# KiCad board first_keyboard.kicad_pcb (continued)
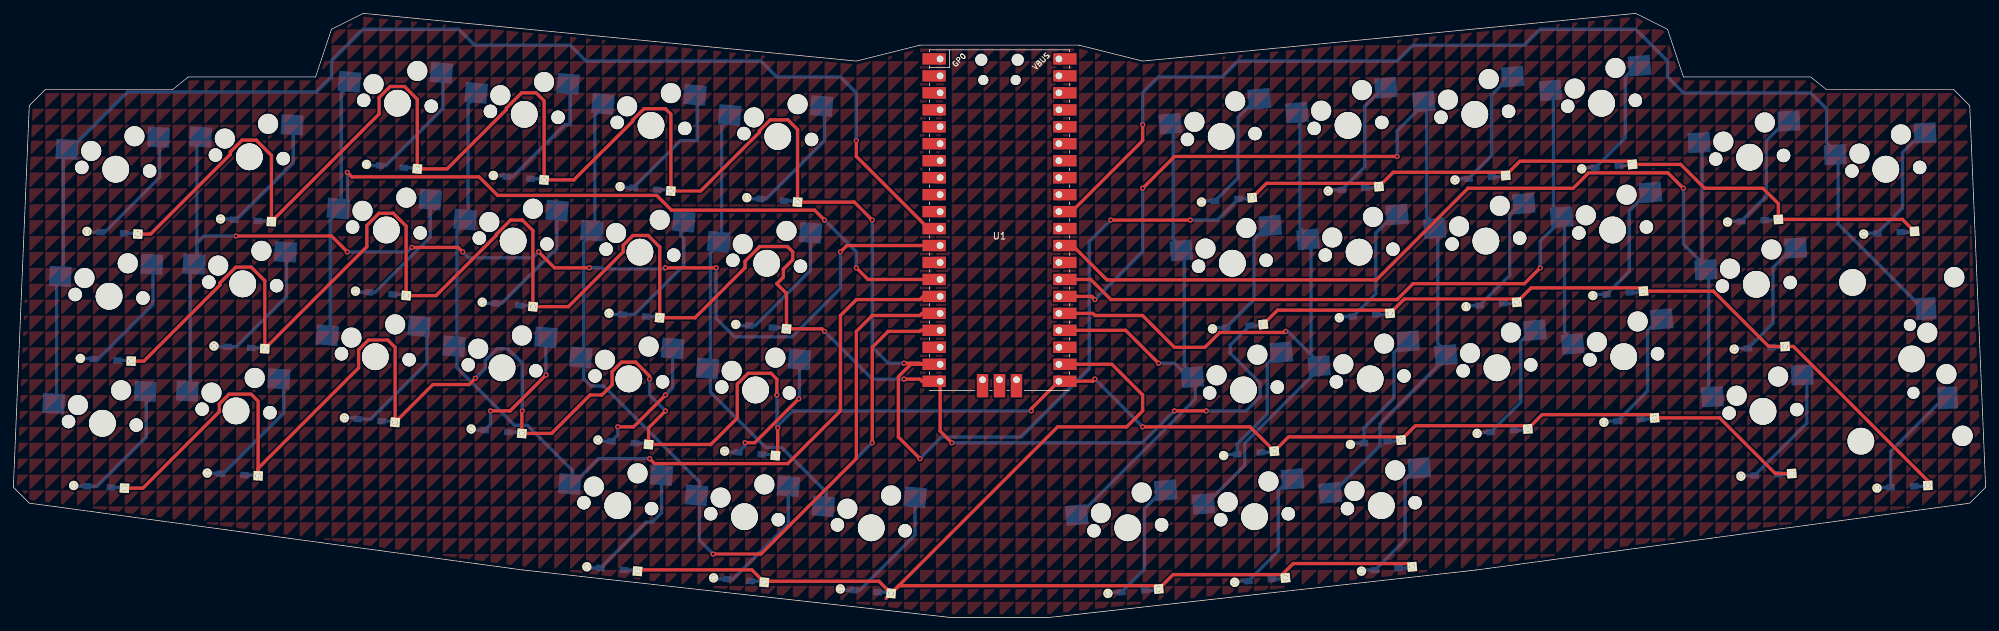
[diagram p0: board, top side]
## Copper pours and planes (outline as drawn; the poured copper is in the pictures) (continued)
(no net) on Top, Bottom: 104.77,57.15 104.77,54.77 107.16,57.15
(no net) on Top, Bottom: 64.29,-9.53 64.29,-11.91 66.67,-9.53
(no net) on Top, Bottom: 219.07,33.34 219.07,30.96 221.46,33.34
(no net) on Top, Bottom: 30.96,104.78 30.96,102.39 33.34,104.78
(no net) on Top, Bottom: 240.51,-30.96 240.51,-33.34 242.89,-30.96
(no net) on Top, Bottom: 64.29,107.16 64.29,104.78 66.67,107.16
(no net) on Top, Bottom: 45.24,-30.96 45.24,-33.34 47.62,-30.96
(no net) on Top, Bottom: 292.89,64.29 292.89,61.91 295.27,64.29
(no net) on Top, Bottom: 21.43,21.43 21.43,19.05 23.81,21.43
(no net) on Top, Bottom: 202.41,140.49 202.41,138.11 204.79,140.49
(no net) on Top, Bottom: 126.21,123.83 126.21,121.44 128.59,123.83
(no net) on Top, Bottom: 61.91,142.88 61.91,140.49 64.29,142.88
(no net) on Top, Bottom: 83.34,114.3 83.34,111.92 85.73,114.3
(no net) on Top, Bottom: 111.92,145.26 111.92,142.88 114.3,145.26
(no net) on Top, Bottom: 261.94,19.05 261.94,16.67 264.32,19.05
(no net) on Top, Bottom: 297.66,100.01 297.66,97.63 300.04,100.01
(no net) on Top, Bottom: 30.96,35.72 30.96,33.34 33.34,35.72
(no net) on Top, Bottom: 271.46,147.64 271.46,145.26 273.84,147.64
(no net) on Top, Bottom: 178.59,102.39 178.59,100.01 180.98,102.39
(no net) on Top, Bottom: 35.72,38.1 35.72,35.72 38.1,38.1
(no net) on Top, Bottom: 280.99,95.25 280.99,92.87 283.37,95.25
(no net) on Top, Bottom: 240.51,111.92 240.51,109.54 242.89,111.92
(no net) on Top, Bottom: 107.16,90.49 107.16,88.11 109.54,90.49
(no net) on Top, Bottom: 9.53,4.76 9.53,2.38 11.91,4.76
(no net) on Top, Bottom: 78.58,142.88 78.58,140.49 80.96,142.88
(no net) on Top, Bottom: 23.81,40.48 23.81,38.1 26.19,40.48
(no net) on Top, Bottom: 173.83,97.63 173.83,95.25 176.21,97.63
(no net) on Top, Bottom: 28.58,130.97 28.58,128.59 30.96,130.97
(no net) on Top, Bottom: 183.36,-16.67 183.36,-19.05 185.74,-16.67
(no net) on Top, Bottom: 269.08,140.49 269.08,138.11 271.46,140.49
(no net) on Top, Bottom: 171.45,135.73 171.45,133.35 173.83,135.73
(no net) on Top, Bottom: 257.18,33.34 257.18,30.96 259.56,33.34
(no net) on Top, Bottom: 135.73,26.19 135.73,23.81 138.11,26.19
(no net) on Top, Bottom: 83.34,23.81 83.34,21.43 85.73,23.81
(no net) on Top, Bottom: 64.29,64.29 64.29,61.91 66.67,64.29
(no net) on Top, Bottom: 235.74,142.88 235.74,140.49 238.12,142.88
(no net) on Top, Bottom: 38.1,76.2 38.1,73.82 40.48,76.2
(no net) on Top, Bottom: 166.69,35.72 166.69,33.34 169.07,35.72
(no net) on Top, Bottom: 192.88,95.25 192.88,92.87 195.26,95.25
(no net) on Top, Bottom: 64.29,-11.91 64.29,-14.29 66.67,-11.91
(no net) on Top, Bottom: 221.46,111.92 221.46,109.54 223.84,111.92
(no net) on Top, Bottom: 16.67,35.72 16.67,33.34 19.05,35.72
(no net) on Top, Bottom: 280.99,-21.43 280.99,-23.81 283.37,-21.43
(no net) on Top, Bottom: 269.08,42.86 269.08,40.48 271.46,42.86
(no net) on Top, Bottom: 152.4,-33.34 152.4,-35.72 154.78,-33.34
(no net) on Top, Bottom: 269.08,52.39 269.08,50.01 271.46,52.39
(no net) on Top, Bottom: 21.43,-35.72 21.43,-38.1 23.81,-35.72
(no net) on Top, Bottom: 64.29,-28.57 64.29,-30.96 66.67,-28.57
(no net) on Top, Bottom: 254.79,104.78 254.79,102.39 257.18,104.78
(no net) on Top, Bottom: 171.45,14.29 171.45,11.91 173.83,14.29
(no net) on Top, Bottom: 154.78,11.91 154.78,9.53 157.16,11.91
(no net) on Top, Bottom: 276.22,116.68 276.22,114.3 278.61,116.68
(no net) on Top, Bottom: 240.51,61.91 240.51,59.53 242.89,61.91
(no net) on Top, Bottom: 80.96,45.24 80.96,42.86 83.34,45.24
(no net) on Top, Bottom: 7.14,-14.29 7.14,-16.67 9.53,-14.29
(no net) on Top, Bottom: 28.58,42.86 28.58,40.48 30.96,42.86
(no net) on Top, Bottom: 52.39,11.91 52.39,9.53 54.77,11.91
(no net) on Top, Bottom: 259.56,-2.38 259.56,-4.76 261.94,-2.38
(no net) on Top, Bottom: 142.88,104.78 142.88,102.39 145.26,104.78
(no net) on Top, Bottom: 283.37,9.53 283.37,7.14 285.75,9.53
(no net) on Top, Bottom: 35.72,50.01 35.72,47.62 38.1,50.01
(no net) on Top, Bottom: 207.17,69.06 207.17,66.68 209.55,69.06
(no net) on Top, Bottom: 61.91,2.38 61.91,0 64.29,2.38
(no net) on Top, Bottom: 100.01,133.35 100.01,130.97 102.39,133.35
(no net) on Top, Bottom: 290.51,47.62 290.51,45.24 292.89,47.62
(no net) on Top, Bottom: 242.89,126.21 242.89,123.83 245.27,126.21
(no net) on Top, Bottom: 78.58,64.29 78.58,61.91 80.96,64.29
(no net) on Top, Bottom: 47.62,111.92 47.62,109.54 50.01,111.92
(no net) on Top, Bottom: 2.38,78.58 2.38,76.2 4.76,78.58
(no net) on Top, Bottom: 166.69,28.57 166.69,26.19 169.07,28.57
(no net) on Top, Bottom: 80.96,69.06 80.96,66.68 83.34,69.06
(no net) on Top, Bottom: 302.42,-23.81 302.42,-26.19 304.8,-23.81
(no net) on Top, Bottom: 35.72,-38.1 35.72,-40.48 38.1,-38.1
(no net) on Top, Bottom: 104.77,133.35 104.77,130.97 107.16,133.35
(no net) on Top, Bottom: 273.84,30.96 273.84,28.57 276.22,30.96
(no net) on Top, Bottom: 78.58,61.91 78.58,59.53 80.96,61.91
(no net) on Top, Bottom: 216.69,126.21 216.69,123.83 219.07,126.21
(no net) on Top, Bottom: 173.83,126.21 173.83,123.83 176.21,126.21
(no net) on Top, Bottom: 78.58,111.92 78.58,109.54 80.96,111.92
(no net) on Top, Bottom: 73.82,135.73 73.82,133.35 76.2,135.73
(no net) on Top, Bottom: 85.73,19.05 85.73,16.67 88.11,19.05
(no net) on Top, Bottom: 33.34,4.76 33.34,2.38 35.72,4.76
(no net) on Top, Bottom: 140.49,-28.57 140.49,-30.96 142.88,-28.57
(no net) on Top, Bottom: 190.5,-14.29 190.5,-16.67 192.88,-14.29
(no net) on Top, Bottom: 59.53,78.58 59.53,76.2 61.91,78.58
(no net) on Top, Bottom: 57.15,16.67 57.15,14.29 59.53,16.67
(no net) on Top, Bottom: 269.08,111.92 269.08,109.54 271.46,111.92
(no net) on Top, Bottom: 57.15,150.02 57.15,147.64 59.53,150.02
(no net) on Top, Bottom: 223.84,-11.91 223.84,-14.29 226.22,-11.91
(no net) on Top, Bottom: 159.54,64.29 159.54,61.91 161.93,64.29
(no net) on Top, Bottom: 233.36,90.49 233.36,88.11 235.74,90.49
(no net) on Top, Bottom: 80.96,150.02 80.96,147.64 83.34,150.02
(no net) on Top, Bottom: 278.61,45.24 278.61,42.86 280.99,45.24
(no net) on Top, Bottom: 30.96,40.48 30.96,38.1 33.34,40.48
(no net) on Top, Bottom: 23.81,69.06 23.81,66.68 26.19,69.06
(no net) on Top, Bottom: 114.3,78.58 114.3,76.2 116.68,78.58
(no net) on Top, Bottom: 30.96,114.3 30.96,111.92 33.34,114.3
(no net) on Top, Bottom: 173.83,-33.34 173.83,-35.72 176.21,-33.34
(no net) on Top, Bottom: 42.86,14.29 42.86,11.91 45.24,14.29
(no net) on Top, Bottom: 233.36,30.96 233.36,28.57 235.74,30.96
(no net) on Top, Bottom: 97.63,126.21 97.63,123.83 100.01,126.21
(no net) on Top, Bottom: 147.64,119.06 147.64,116.68 150.02,119.06
(no net) on Top, Bottom: 154.78,52.39 154.78,50.01 157.16,52.39
(no net) on Top, Bottom: 214.31,71.44 214.31,69.06 216.69,71.44
(no net) on Top, Bottom: 59.53,14.29 59.53,11.91 61.91,14.29
(no net) on Top, Bottom: 235.74,-11.91 235.74,-14.29 238.12,-11.91
(no net) on Top, Bottom: 183.36,126.21 183.36,123.83 185.74,126.21
(no net) on Top, Bottom: 26.19,97.63 26.19,95.25 28.58,97.63
(no net) on Top, Bottom: 219.07,28.57 219.07,26.19 221.46,28.57
(no net) on Top, Bottom: 0,54.77 0,52.39 2.38,54.77
(no net) on Top, Bottom: 109.54,30.96 109.54,28.57 111.92,30.96
(no net) on Top, Bottom: 166.69,69.06 166.69,66.68 169.07,69.06
(no net) on Top, Bottom: 304.8,83.34 304.8,80.96 307.18,83.34
(no net) on Top, Bottom: 300.04,4.76 300.04,2.38 302.42,4.76
(no net) on Top, Bottom: 209.55,40.48 209.55,38.1 211.93,40.48
(no net) on Top, Bottom: 166.69,66.68 166.69,64.29 169.07,66.68
(no net) on Top, Bottom: 204.79,104.78 204.79,102.39 207.17,104.78
(no net) on Top, Bottom: 140.49,-2.38 140.49,-4.76 142.88,-2.38
(no net) on Top, Bottom: 133.35,4.76 133.35,2.38 135.73,4.76
(no net) on Top, Bottom: 173.83,-21.43 173.83,-23.81 176.21,-21.43
(no net) on Top, Bottom: 269.08,121.44 269.08,119.06 271.46,121.44
(no net) on Top, Bottom: 257.18,80.96 257.18,78.58 259.56,80.96
(no net) on Top, Bottom: 123.83,-26.19 123.83,-28.57 126.21,-26.19
(no net) on Top, Bottom: 245.27,-11.91 245.27,-14.29 247.65,-11.91
(no net) on Top, Bottom: 161.93,102.39 161.93,100.01 164.31,102.39
(no net) on Top, Bottom: 200.02,140.49 200.02,138.11 202.41,140.49
(no net) on Top, Bottom: 116.68,116.68 116.68,114.3 119.06,116.68
(no net) on Top, Bottom: 52.39,107.16 52.39,104.78 54.77,107.16
(no net) on Top, Bottom: 178.59,80.96 178.59,78.58 180.98,80.96
(no net) on Top, Bottom: 219.07,57.15 219.07,54.77 221.46,57.15
(no net) on Top, Bottom: 92.87,150.02 92.87,147.64 95.25,150.02
(no net) on Top, Bottom: 128.59,47.62 128.59,45.24 130.97,47.62
(no net) on Top, Bottom: 11.91,-26.19 11.91,-28.57 14.29,-26.19
(no net) on Top, Bottom: 211.93,69.06 211.93,66.68 214.31,69.06
(no net) on Top, Bottom: 85.73,30.96 85.73,28.57 88.11,30.96
(no net) on Top, Bottom: 95.25,-4.76 95.25,-7.14 97.63,-4.76
(no net) on Top, Bottom: 185.74,92.87 185.74,90.49 188.12,92.87
(no net) on Top, Bottom: 269.08,9.53 269.08,7.14 271.46,9.53
(no net) on Top, Bottom: 116.68,-16.67 116.68,-19.05 119.06,-16.67
(no net) on Top, Bottom: 95.25,-28.57 95.25,-30.96 97.63,-28.57
(no net) on Top, Bottom: 119.06,-28.57 119.06,-30.96 121.44,-28.57
(no net) on Top, Bottom: 180.98,121.44 180.98,119.06 183.36,121.44
(no net) on Top, Bottom: 145.26,95.25 145.26,92.87 147.64,95.25
(no net) on Top, Bottom: 164.31,11.91 164.31,9.53 166.69,11.91
(no net) on Top, Bottom: 304.8,145.26 304.8,142.88 307.18,145.26
(no net) on Top, Bottom: 254.79,-2.38 254.79,-4.76 257.18,-2.38
(no net) on Top, Bottom: 150.02,23.81 150.02,21.43 152.4,23.81
(no net) on Top, Bottom: 147.64,-2.38 147.64,-4.76 150.02,-2.38
(no net) on Top, Bottom: 23.81,80.96 23.81,78.58 26.19,80.96
(no net) on Top, Bottom: 104.77,73.82 104.77,71.44 107.16,73.82
(no net) on Top, Bottom: 204.79,85.72 204.79,83.34 207.17,85.72
(no net) on Top, Bottom: 240.51,42.86 240.51,40.48 242.89,42.86
(no net) on Top, Bottom: 271.46,42.86 271.46,40.48 273.84,42.86
(no net) on Top, Bottom: 123.83,57.15 123.83,54.77 126.21,57.15
(no net) on Top, Bottom: 285.75,7.14 285.75,4.76 288.13,7.14
(no net) on Top, Bottom: 104.77,111.92 104.77,109.54 107.16,111.92
(no net) on Top, Bottom: 133.35,61.91 133.35,59.53 135.73,61.91
(no net) on Top, Bottom: 235.74,28.57 235.74,26.19 238.12,28.57
(no net) on Top, Bottom: 273.84,-9.53 273.84,-11.91 276.22,-9.53
(no net) on Top, Bottom: 259.56,150.02 259.56,147.64 261.94,150.02
(no net) on Top, Bottom: 114.3,23.81 114.3,21.43 116.68,23.81
(no net) on Top, Bottom: 142.88,100.01 142.88,97.63 145.26,100.01
(no net) on Top, Bottom: 38.1,102.39 38.1,100.01 40.48,102.39
(no net) on Top, Bottom: 211.93,50.01 211.93,47.62 214.31,50.01
(no net) on Top, Bottom: 190.5,-7.14 190.5,-9.53 192.88,-7.14
(no net) on Top, Bottom: 128.59,104.78 128.59,102.39 130.97,104.78
(no net) on Top, Bottom: 214.31,150.02 214.31,147.64 216.69,150.02
(no net) on Top, Bottom: 95.25,121.44 95.25,119.06 97.63,121.44
(no net) on Top, Bottom: 166.69,107.16 166.69,104.78 169.07,107.16
(no net) on Top, Bottom: 207.17,130.97 207.17,128.59 209.55,130.97
(no net) on Top, Bottom: 200.02,88.11 200.02,85.72 202.41,88.11
(no net) on Top, Bottom: 9.53,92.87 9.53,90.49 11.91,92.87
(no net) on Top, Bottom: 271.46,128.59 271.46,126.21 273.84,128.59
(no net) on Top, Bottom: 185.74,145.26 185.74,142.88 188.12,145.26
(no net) on Top, Bottom: 26.19,78.58 26.19,76.2 28.58,78.58
(no net) on Top, Bottom: 221.46,-11.91 221.46,-14.29 223.84,-11.91
(no net) on Top, Bottom: 207.17,14.29 207.17,11.91 209.55,14.29
(no net) on Top, Bottom: 252.41,85.72 252.41,83.34 254.79,85.72
(no net) on Top, Bottom: 121.44,-16.67 121.44,-19.05 123.83,-16.67
(no net) on Top, Bottom: 261.94,100.01 261.94,97.63 264.32,100.01
(no net) on Top, Bottom: 152.4,-19.05 152.4,-21.43 154.78,-19.05
(no net) on Top, Bottom: 214.31,9.53 214.31,7.14 216.69,9.53
(no net) on Top, Bottom: 4.76,23.81 4.76,21.43 7.14,23.81
(no net) on Top, Bottom: 178.59,76.2 178.59,73.82 180.98,76.2
(no net) on Top, Bottom: 64.29,11.91 64.29,9.53 66.67,11.91
(no net) on Top, Bottom: 230.98,28.57 230.98,26.19 233.36,28.57
(no net) on Top, Bottom: 242.89,9.53 242.89,7.14 245.27,9.53
(no net) on Top, Bottom: 185.74,54.77 185.74,52.39 188.12,54.77
(no net) on Top, Bottom: 66.67,42.86 66.67,40.48 69.06,42.86
(no net) on Top, Bottom: 57.15,-9.53 57.15,-11.91 59.53,-9.53
(no net) on Top, Bottom: 169.07,-2.38 169.07,-4.76 171.45,-2.38
(no net) on Top, Bottom: 235.74,4.76 235.74,2.38 238.12,4.76
(no net) on Top, Bottom: 71.44,7.14 71.44,4.76 73.82,7.14
(no net) on Top, Bottom: 169.07,109.54 169.07,107.16 171.45,109.54
(no net) on Top, Bottom: 73.82,80.96 73.82,78.58 76.2,80.96
(no net) on Top, Bottom: 83.34,54.77 83.34,52.39 85.73,54.77
(no net) on Top, Bottom: 169.07,-33.34 169.07,-35.72 171.45,-33.34
(no net) on Top, Bottom: 145.26,85.72 145.26,83.34 147.64,85.72
(no net) on Top, Bottom: 92.87,16.67 92.87,14.29 95.25,16.67
(no net) on Top, Bottom: 109.54,119.06 109.54,116.68 111.92,119.06
(no net) on Top, Bottom: 264.32,76.2 264.32,73.82 266.7,76.2
(no net) on Top, Bottom: 169.07,138.11 169.07,135.73 171.45,138.11
(no net) on Top, Bottom: 195.26,135.73 195.26,133.35 197.64,135.73
(no net) on Top, Bottom: 200.02,38.1 200.02,35.72 202.41,38.1
(no net) on Top, Bottom: 152.4,0 152.4,-2.38 154.78,0
(no net) on Top, Bottom: 290.51,111.92 290.51,109.54 292.89,111.92
(no net) on Top, Bottom: 52.39,83.34 52.39,80.96 54.77,83.34
(no net) on Top, Bottom: 61.91,-28.57 61.91,-30.96 64.29,-28.57
(no net) on Top, Bottom: 30.96,78.58 30.96,76.2 33.34,78.58
(no net) on Top, Bottom: 0,50.01 0,47.62 2.38,50.01
(no net) on Top, Bottom: 152.4,66.68 152.4,64.29 154.78,66.68
(no net) on Top, Bottom: 35.72,52.39 35.72,50.01 38.1,52.39
(no net) on Top, Bottom: 288.13,109.54 288.13,107.16 290.51,109.54
(no net) on Top, Bottom: 211.93,-26.19 211.93,-28.57 214.31,-26.19
(no net) on Top, Bottom: 266.7,-9.53 266.7,-11.91 269.08,-9.53
(no net) on Top, Bottom: 221.46,-16.67 221.46,-19.05 223.84,-16.67
(no net) on Top, Bottom: 85.73,97.63 85.73,95.25 88.11,97.63
(no net) on Top, Bottom: 157.16,61.91 157.16,59.53 159.54,61.91
(no net) on Top, Bottom: 26.19,19.05 26.19,16.67 28.58,19.05
(no net) on Top, Bottom: 242.89,100.01 242.89,97.63 245.27,100.01
(no net) on Top, Bottom: 238.12,57.15 238.12,54.77 240.51,57.15
(no net) on Top, Bottom: 150.02,123.83 150.02,121.44 152.4,123.83
(no net) on Top, Bottom: 152.4,76.2 152.4,73.82 154.78,76.2
(no net) on Top, Bottom: 223.84,0 223.84,-2.38 226.22,0
(no net) on Top, Bottom: 242.89,-23.81 242.89,-26.19 245.27,-23.81
(no net) on Top, Bottom: 200.02,133.35 200.02,130.97 202.41,133.35
(no net) on Top, Bottom: 273.84,21.43 273.84,19.05 276.22,21.43
(no net) on Top, Bottom: 0,45.24 0,42.86 2.38,45.24
(no net) on Top, Bottom: 207.17,147.64 207.17,145.26 209.55,147.64
(no net) on Top, Bottom: 19.05,14.29 19.05,11.91 21.43,14.29
(no net) on Top, Bottom: 138.11,114.3 138.11,111.92 140.49,114.3
(no net) on Top, Bottom: 47.62,61.91 47.62,59.53 50.01,61.91
(no net) on Top, Bottom: 257.18,107.16 257.18,104.78 259.56,107.16
(no net) on Top, Bottom: 245.27,-35.72 245.27,-38.1 247.65,-35.72
(no net) on Top, Bottom: 259.56,116.68 259.56,114.3 261.94,116.68
(no net) on Top, Bottom: 71.44,28.57 71.44,26.19 73.82,28.57
(no net) on Top, Bottom: 83.34,126.21 83.34,123.83 85.73,126.21
(no net) on Top, Bottom: 283.37,45.24 283.37,42.86 285.75,45.24
(no net) on Top, Bottom: 269.08,109.54 269.08,107.16 271.46,109.54
(no net) on Top, Bottom: 50.01,147.64 50.01,145.26 52.39,147.64
(no net) on Top, Bottom: 138.11,92.87 138.11,90.49 140.49,92.87
(no net) on Top, Bottom: 292.89,92.87 292.89,90.49 295.27,92.87
(no net) on Top, Bottom: 90.49,19.05 90.49,16.67 92.87,19.05
(no net) on Top, Bottom: 97.63,45.24 97.63,42.86 100.01,45.24
(no net) on Top, Bottom: 283.37,128.59 283.37,126.21 285.75,128.59
(no net) on Top, Bottom: 138.11,150.02 138.11,147.64 140.49,150.02
(no net) on Top, Bottom: 264.32,100.01 264.32,97.63 266.7,100.01
(no net) on Top, Bottom: 292.89,130.97 292.89,128.59 295.27,130.97
(no net) on Top, Bottom: 59.53,30.96 59.53,28.57 61.91,30.96
(no net) on Top, Bottom: 176.21,78.58 176.21,76.2 178.59,78.58
(no net) on Top, Bottom: 119.06,23.81 119.06,21.43 121.44,23.81
(no net) on Top, Bottom: 295.27,-16.67 295.27,-19.05 297.66,-16.67
(no net) on Top, Bottom: 297.66,-35.72 297.66,-38.1 300.04,-35.72
(no net) on Top, Bottom: 104.77,0 104.77,-2.38 107.16,0
(no net) on Top, Bottom: 88.11,109.54 88.11,107.16 90.49,109.54
(no net) on Top, Bottom: 61.91,61.91 61.91,59.53 64.29,61.91
(no net) on Top, Bottom: 197.64,92.87 197.64,90.49 200.02,92.87
(no net) on Top, Bottom: 47.62,97.63 47.62,95.25 50.01,97.63
(no net) on Top, Bottom: 57.15,21.43 57.15,19.05 59.53,21.43
(no net) on Top, Bottom: 16.67,19.05 16.67,16.67 19.05,19.05
(no net) on Top, Bottom: 104.77,83.34 104.77,80.96 107.16,83.34
(no net) on Top, Bottom: 202.41,-38.1 202.41,-40.48 204.79,-38.1
(no net) on Top, Bottom: 288.13,119.06 288.13,116.68 290.51,119.06
(no net) on Top, Bottom: 95.25,80.96 95.25,78.58 97.63,80.96
(no net) on Top, Bottom: 40.48,142.88 40.48,140.49 42.86,142.88
(no net) on Top, Bottom: 50.01,64.29 50.01,61.91 52.39,64.29
(no net) on Top, Bottom: 302.42,78.58 302.42,76.2 304.8,78.58
(no net) on Top, Bottom: 130.97,97.63 130.97,95.25 133.35,97.63
(no net) on Top, Bottom: 169.07,69.06 169.07,66.68 171.45,69.06
(no net) on Top, Bottom: 145.26,54.77 145.26,52.39 147.64,54.77
(no net) on Top, Bottom: 61.91,28.57 61.91,26.19 64.29,28.57
(no net) on Top, Bottom: 202.41,147.64 202.41,145.26 204.79,147.64
(no net) on Top, Bottom: 4.76,47.62 4.76,45.24 7.14,47.62
(no net) on Top, Bottom: 230.98,2.38 230.98,0 233.36,2.38
(no net) on Top, Bottom: 71.44,40.48 71.44,38.1 73.82,40.48
(no net) on Top, Bottom: 209.55,109.54 209.55,107.16 211.93,109.54
(no net) on Top, Bottom: 14.29,104.78 14.29,102.39 16.67,104.78
(no net) on Top, Bottom: 183.36,140.49 183.36,138.11 185.74,140.49
(no net) on Top, Bottom: 7.14,97.63 7.14,95.25 9.53,97.63
(no net) on Top, Bottom: 54.77,76.2 54.77,73.82 57.15,76.2
(no net) on Top, Bottom: 138.11,-23.81 138.11,-26.19 140.49,-23.81
(no net) on Top, Bottom: 61.91,88.11 61.91,85.72 64.29,88.11
(no net) on Top, Bottom: 271.46,-14.29 271.46,-16.67 273.84,-14.29
(no net) on Top, Bottom: 264.32,-28.57 264.32,-30.96 266.7,-28.57
(no net) on Top, Bottom: 150.02,11.91 150.02,9.53 152.4,11.91
(no net) on Top, Bottom: 226.22,78.58 226.22,76.2 228.6,78.58
(no net) on Top, Bottom: 107.16,121.44 107.16,119.06 109.54,121.44
(no net) on Top, Bottom: 71.44,14.29 71.44,11.91 73.82,14.29
(no net) on Top, Bottom: 111.92,76.2 111.92,73.82 114.3,76.2
(no net) on Top, Bottom: 166.69,-11.91 166.69,-14.29 169.07,-11.91
(no net) on Top, Bottom: 83.34,-33.34 83.34,-35.72 85.73,-33.34
(no net) on Top, Bottom: 169.07,104.78 169.07,102.39 171.45,104.78
(no net) on Top, Bottom: 214.31,-21.43 214.31,-23.81 216.69,-21.43
(no net) on Top, Bottom: 302.42,-21.43 302.42,-23.81 304.8,-21.43
(no net) on Top, Bottom: 69.06,142.88 69.06,140.49 71.44,142.88
(no net) on Top, Bottom: 40.48,-11.91 40.48,-14.29 42.86,-11.91
(no net) on Top, Bottom: 57.15,80.96 57.15,78.58 59.53,80.96
(no net) on Top, Bottom: 247.65,140.49 247.65,138.11 250.03,140.49
(no net) on Top, Bottom: 292.89,111.92 292.89,109.54 295.27,111.92
(no net) on Top, Bottom: 159.54,128.59 159.54,126.21 161.93,128.59
(no net) on Top, Bottom: 109.54,-2.38 109.54,-4.76 111.92,-2.38
(no net) on Top, Bottom: 133.35,-9.53 133.35,-11.91 135.73,-9.53
(no net) on Top, Bottom: 140.49,7.14 140.49,4.76 142.88,7.14
(no net) on Top, Bottom: 221.46,21.43 221.46,19.05 223.84,21.43
(no net) on Top, Bottom: 52.39,-4.76 52.39,-7.14 54.77,-4.76
(no net) on Top, Bottom: 276.22,-30.96 276.22,-33.34 278.61,-30.96
(no net) on Top, Bottom: 240.51,100.01 240.51,97.63 242.89,100.01
(no net) on Top, Bottom: 138.11,121.44 138.11,119.06 140.49,121.44
(no net) on Top, Bottom: 109.54,-28.57 109.54,-30.96 111.92,-28.57
(no net) on Top, Bottom: 71.44,119.06 71.44,116.68 73.82,119.06
(no net) on Top, Bottom: 80.96,66.68 80.96,64.29 83.34,66.68
(no net) on Top, Bottom: 157.16,97.63 157.16,95.25 159.54,97.63
(no net) on Top, Bottom: 107.16,100.01 107.16,97.63 109.54,100.01
(no net) on Top, Bottom: 254.79,88.11 254.79,85.72 257.18,88.11
(no net) on Top, Bottom: 92.87,4.76 92.87,2.38 95.25,4.76
(no net) on Top, Bottom: 42.86,111.92 42.86,109.54 45.24,111.92
(no net) on Top, Bottom: 302.42,71.44 302.42,69.06 304.8,71.44
(no net) on Top, Bottom: 288.13,23.81 288.13,21.43 290.51,23.81
(no net) on Top, Bottom: 280.99,147.64 280.99,145.26 283.37,147.64
(no net) on Top, Bottom: 4.76,40.48 4.76,38.1 7.14,40.48
(no net) on Top, Bottom: 280.99,-7.14 280.99,-9.53 283.37,-7.14
(no net) on Top, Bottom: 219.07,130.97 219.07,128.59 221.46,130.97
(no net) on Top, Bottom: 123.83,23.81 123.83,21.43 126.21,23.81
(no net) on Top, Bottom: 102.39,130.97 102.39,128.59 104.77,130.97
(no net) on Top, Bottom: 11.91,114.3 11.91,111.92 14.29,114.3
(no net) on Top, Bottom: 221.46,47.62 221.46,45.24 223.84,47.62
(no net) on Top, Bottom: 107.16,-11.91 107.16,-14.29 109.54,-11.91
(no net) on Top, Bottom: 219.07,26.19 219.07,23.81 221.46,26.19
(no net) on Top, Bottom: 52.39,88.11 52.39,85.72 54.77,88.11
(no net) on Top, Bottom: 173.83,128.59 173.83,126.21 176.21,128.59
(no net) on Top, Bottom: 76.2,-16.67 76.2,-19.05 78.58,-16.67
(no net) on Top, Bottom: 4.76,35.72 4.76,33.34 7.14,35.72
(no net) on Top, Bottom: 59.53,-30.96 59.53,-33.34 61.91,-30.96
(no net) on Top, Bottom: 302.42,88.11 302.42,85.72 304.8,88.11
(no net) on Top, Bottom: 226.22,135.73 226.22,133.35 228.6,135.73
(no net) on Top, Bottom: 264.32,107.16 264.32,104.78 266.7,107.16
(no net) on Top, Bottom: 107.16,102.39 107.16,100.01 109.54,102.39
(no net) on Top, Bottom: 223.84,-14.29 223.84,-16.67 226.22,-14.29
(no net) on Top, Bottom: 76.2,54.77 76.2,52.39 78.58,54.77
(no net) on Top, Bottom: 154.78,135.73 154.78,133.35 157.16,135.73
(no net) on Top, Bottom: 290.51,54.77 290.51,52.39 292.89,54.77
(no net) on Top, Bottom: 290.51,145.26 290.51,142.88 292.89,145.26
(no net) on Top, Bottom: 102.39,28.57 102.39,26.19 104.77,28.57
(no net) on Top, Bottom: 304.8,114.3 304.8,111.92 307.18,114.3
(no net) on Top, Bottom: 145.26,123.83 145.26,121.44 147.64,123.83
(no net) on Top, Bottom: 176.21,-16.67 176.21,-19.05 178.59,-16.67
(no net) on Top, Bottom: 190.5,-9.53 190.5,-11.91 192.88,-9.53
(no net) on Top, Bottom: 245.27,-9.53 245.27,-11.91 247.65,-9.53
(no net) on Top, Bottom: 109.54,19.05 109.54,16.67 111.92,19.05
(no net) on Top, Bottom: 54.77,47.62 54.77,45.24 57.15,47.62
(no net) on Top, Bottom: 61.91,121.44 61.91,119.06 64.29,121.44
(no net) on Top, Bottom: 40.48,-16.67 40.48,-19.05 42.86,-16.67
(no net) on Top, Bottom: 114.3,-21.43 114.3,-23.81 116.68,-21.43
(no net) on Top, Bottom: 200.02,123.83 200.02,121.44 202.41,123.83
(no net) on Top, Bottom: 295.27,38.1 295.27,35.72 297.66,38.1
(no net) on Top, Bottom: 266.7,92.87 266.7,90.49 269.08,92.87
(no net) on Top, Bottom: 173.83,-2.38 173.83,-4.76 176.21,-2.38
(no net) on Top, Bottom: 288.13,4.76 288.13,2.38 290.51,4.76
(no net) on Top, Bottom: 92.87,50.01 92.87,47.62 95.25,50.01
(no net) on Top, Bottom: 59.53,16.67 59.53,14.29 61.91,16.67
(no net) on Top, Bottom: 259.56,-35.72 259.56,-38.1 261.94,-35.72
(no net) on Top, Bottom: 102.39,47.62 102.39,45.24 104.77,47.62
(no net) on Top, Bottom: 116.68,88.11 116.68,85.72 119.06,88.11
(no net) on Top, Bottom: 216.69,50.01 216.69,47.62 219.07,50.01
(no net) on Top, Bottom: 2.38,64.29 2.38,61.91 4.76,64.29
(no net) on Top, Bottom: 45.24,85.72 45.24,83.34 47.62,85.72
(no net) on Top, Bottom: 180.98,45.24 180.98,42.86 183.36,45.24
(no net) on Top, Bottom: 188.12,45.24 188.12,42.86 190.5,45.24
(no net) on Top, Bottom: 154.78,-14.29 154.78,-16.67 157.16,-14.29
(no net) on Top, Bottom: 4.76,11.91 4.76,9.53 7.14,11.91
(no net) on Top, Bottom: 202.41,128.59 202.41,126.21 204.79,128.59
(no net) on Top, Bottom: 254.79,116.68 254.79,114.3 257.18,116.68
(no net) on Top, Bottom: 90.49,121.44 90.49,119.06 92.87,121.44
(no net) on Top, Bottom: 121.44,19.05 121.44,16.67 123.83,19.05
(no net) on Top, Bottom: 250.03,-28.57 250.03,-30.96 252.41,-28.57
(no net) on Top, Bottom: 45.24,45.24 45.24,42.86 47.62,45.24
(no net) on Top, Bottom: 283.37,90.49 283.37,88.11 285.75,90.49
(no net) on Top, Bottom: 154.78,33.34 154.78,30.96 157.16,33.34
(no net) on Top, Bottom: 216.69,-14.29 216.69,-16.67 219.07,-14.29
(no net) on Top, Bottom: 283.37,-21.43 283.37,-23.81 285.75,-21.43
(no net) on Top, Bottom: 11.91,50.01 11.91,47.62 14.29,50.01
(no net) on Top, Bottom: 66.67,114.3 66.67,111.92 69.06,114.3
(no net) on Top, Bottom: 61.91,-26.19 61.91,-28.57 64.29,-26.19
(no net) on Top, Bottom: 223.84,38.1 223.84,35.72 226.22,38.1
(no net) on Top, Bottom: 285.75,85.72 285.75,83.34 288.13,85.72
(no net) on Top, Bottom: 11.91,-2.38 11.91,-4.76 14.29,-2.38
(no net) on Top, Bottom: 54.77,-16.67 54.77,-19.05 57.15,-16.67
(no net) on Top, Bottom: 19.05,104.78 19.05,102.39 21.43,104.78
(no net) on Top, Bottom: 195.26,119.06 195.26,116.68 197.64,119.06
(no net) on Top, Bottom: 102.39,-7.14 102.39,-9.53 104.77,-7.14
(no net) on Top, Bottom: 130.97,85.72 130.97,83.34 133.35,85.72
(no net) on Top, Bottom: 204.79,66.68 204.79,64.29 207.17,66.68
